# KiCad board dacboard.kicad_pcb (continued)
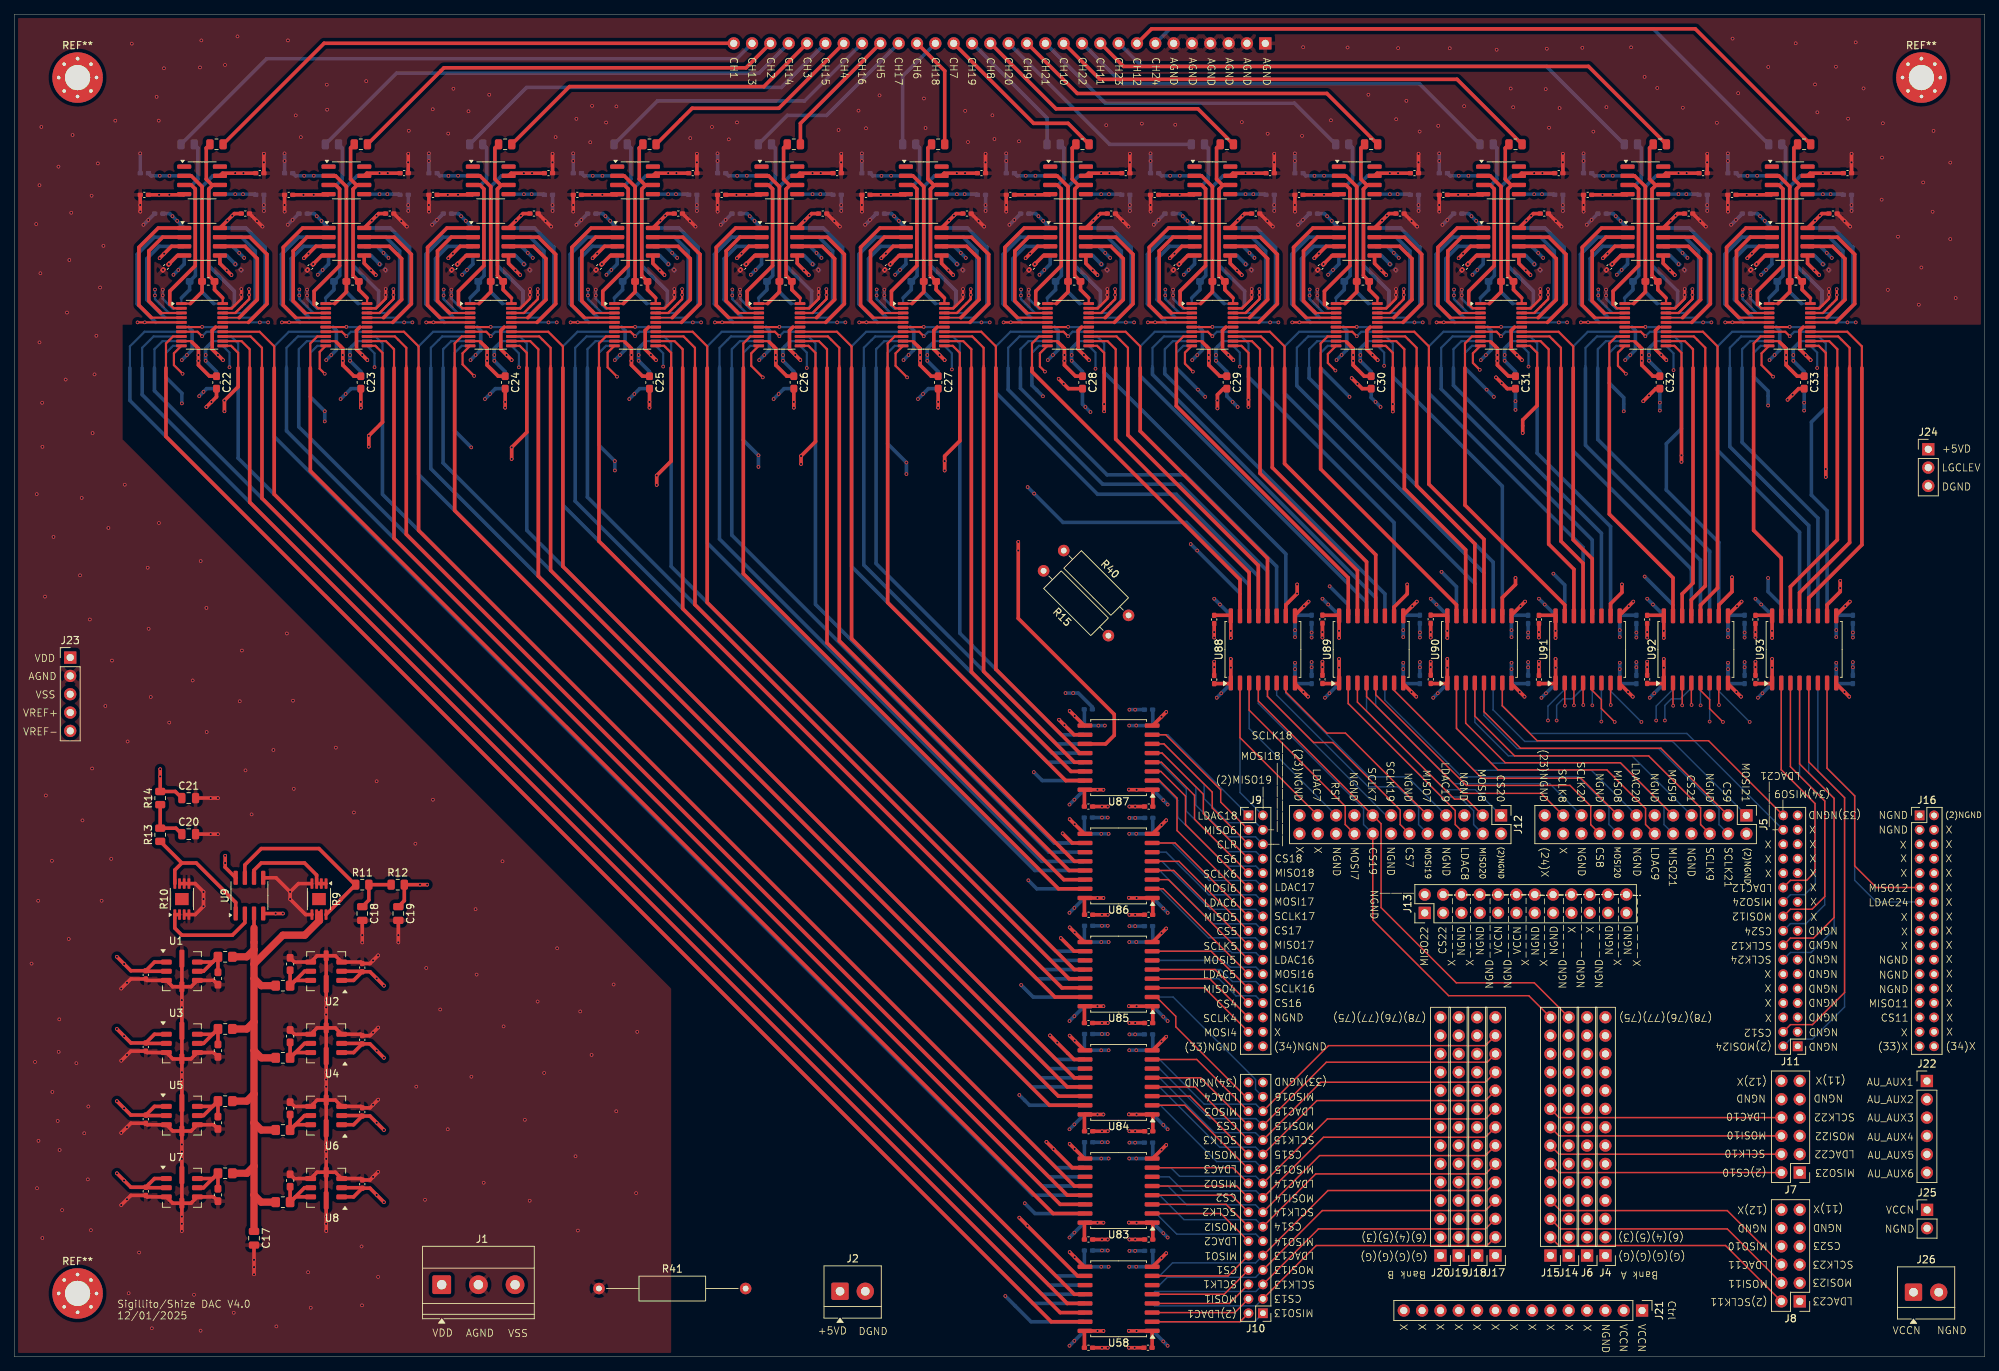
[diagram p0: board, top side]
## Placement (name value [footprint] x y rotation side) (continued)
R13  R_US  [R_0805_2012Metric]  20.2 72.31 90 top
R14  R_US  [R_0805_2012Metric]  20.2 77.4 90 top
R15  R_US  [R_Axial_DIN0309_L9.0mm_D3.2mm_P12.70mm_Horizontal]  151.59 99.91 135 top
R16  R_US  [R_0805_2012Metric]  28 168 0 top
R17  R_US  [R_0805_2012Metric]  48 168 0 top
R18  R_US  [R_0805_2012Metric]  68 168 0 top
R19  R_US  [R_0805_2012Metric]  88 168 0 top
R20  R_US  [R_0805_2012Metric]  108 168 0 top
R21  R_US  [R_0805_2012Metric]  128 168 0 top
R22  R_US  [R_0805_2012Metric]  148 168 0 top
R23  R_US  [R_0805_2012Metric]  168 168 0 top
R24  R_US  [R_0805_2012Metric]  188 168 0 top
R25  R_US  [R_0805_2012Metric]  208 168 0 top
R26  R_US  [R_0805_2012Metric]  228 168 0 top
R27  R_US  [R_0805_2012Metric]  248 168 0 top
R28  R_US  [R_0805_2012Metric]  24 168 180 bottom
R29  R_US  [R_0805_2012Metric]  44 168 180 bottom
R30  R_US  [R_0805_2012Metric]  64 168 180 bottom
R31  R_US  [R_0805_2012Metric]  84 168 180 bottom
R32  R_US  [R_0805_2012Metric]  104 168 180 bottom
R33  R_US  [R_0805_2012Metric]  124 168 180 bottom
R34  R_US  [R_0805_2012Metric]  144 168 180 bottom
R35  R_US  [R_0805_2012Metric]  164 168 180 bottom
R36  R_US  [R_0805_2012Metric]  184 168 180 bottom
R37  R_US  [R_0805_2012Metric]  204 168 180 bottom
R38  R_US  [R_0805_2012Metric]  224 168 180 bottom
R39  R_US  [R_0805_2012Metric]  244 168 180 bottom
R40  R_US  [R_Axial_DIN0309_L9.0mm_D3.2mm_P12.70mm_Horizontal]  145.4 111.7 315 top
R41  R_US  [R_Axial_DIN0309_L9.0mm_D3.2mm_P20.32mm_Horizontal]  81 9.43 0 top
REF**  -  [MountingHole_3.5mm_Pad_Via]  8.75 177.25 0 top
REF**#2  -  [MountingHole_3.5mm_Pad_Via]  264.25 177.25 0 top
REF**#3  -  [MountingHole_3.5mm_Pad_Via]  8.75 8.75 0 top
U1  LTC6655CHMS8-2.5_PBF  [Analog_LCC-8_5x5mm_P1.27mm]  23.2 53.4 0 top
U2  LTC6655CHMS8-2.5_PBF  [Analog_LCC-8_5x5mm_P1.27mm]  43.2 53.4 180 top
U3  LTC6655CHMS8-2.5_PBF  [Analog_LCC-8_5x5mm_P1.27mm]  23.2 43.4 0 top
U4  LTC6655CHMS8-2.5_PBF  [Analog_LCC-8_5x5mm_P1.27mm]  43.2 43.4 180 top
U5  LTC6655CHMS8-2.5_PBF  [Analog_LCC-8_5x5mm_P1.27mm]  23.2 33.4 0 top
U6  LTC6655CHMS8-2.5_PBF  [Analog_LCC-8_5x5mm_P1.27mm]  43.2 33.4 180 top
U7  LTC6655CHMS8-2.5_PBF  [Analog_LCC-8_5x5mm_P1.27mm]  23.2 23.4 0 top
U8  LTC6655CHMS8-2.5_PBF  [Analog_LCC-8_5x5mm_P1.27mm]  43.2 23.4 180 top
U9  AD8676xR  [SOIC-8_3.9x4.9mm_P1.27mm]  32.56 63.88 90 top
U10  AD5791BRUZ  [TSSOP-20_4.4x6.5mm_P0.65mm]  26 143 0 top
U11  AD8676xR  [SOIC-8_3.9x4.9mm_P1.27mm]  26 154.5 0 top
U12  AD8676xR  [SOIC-8_3.9x4.9mm_P1.27mm]  46 154.5 0 top
U13  AD5791BRUZ  [TSSOP-20_4.4x6.5mm_P0.65mm]  46 143 0 top
U14  AD8676xR  [SOIC-8_3.9x4.9mm_P1.27mm]  66 154.5 0 top
U15  AD5791BRUZ  [TSSOP-20_4.4x6.5mm_P0.65mm]  66 143 0 top
U16  AD8676xR  [SOIC-8_3.9x4.9mm_P1.27mm]  86 154.5 0 top
U17  AD5791BRUZ  [TSSOP-20_4.4x6.5mm_P0.65mm]  86 143 0 top
U18  AD8676xR  [SOIC-8_3.9x4.9mm_P1.27mm]  106 154.5 0 top
U19  AD5791BRUZ  [TSSOP-20_4.4x6.5mm_P0.65mm]  106 143 0 top
U20  AD8676xR  [SOIC-8_3.9x4.9mm_P1.27mm]  126 154.5 0 top
U21  AD5791BRUZ  [TSSOP-20_4.4x6.5mm_P0.65mm]  126 143 0 top
U22  AD8676xR  [SOIC-8_3.9x4.9mm_P1.27mm]  146 154.5 0 top
U23  AD8676xR  [SOIC-8_3.9x4.9mm_P1.27mm]  166 154.5 0 top
U24  AD8676xR  [SOIC-8_3.9x4.9mm_P1.27mm]  186 154.5 0 top
U25  AD8676xR  [SOIC-8_3.9x4.9mm_P1.27mm]  206 154.5 0 top
U26  AD5791BRUZ  [TSSOP-20_4.4x6.5mm_P0.65mm]  146 143 0 top
U27  AD5791BRUZ  [TSSOP-20_4.4x6.5mm_P0.65mm]  166 143 0 top
U28  AD5791BRUZ  [TSSOP-20_4.4x6.5mm_P0.65mm]  186 143 0 top
U29  AD5791BRUZ  [TSSOP-20_4.4x6.5mm_P0.65mm]  206 143 0 top
U30  AD8676xR  [SOIC-8_3.9x4.9mm_P1.27mm]  226 154.5 0 top
U31  AD8676xR  [SOIC-8_3.9x4.9mm_P1.27mm]  246 154.5 0 top
U32  AD5791BRUZ  [TSSOP-20_4.4x6.5mm_P0.65mm]  226 143 0 top
U33  AD5791BRUZ  [TSSOP-20_4.4x6.5mm_P0.65mm]  246 143 0 top
U34  AD8676xR  [SOIC-8_3.9x4.9mm_P1.27mm]  26 154.5 180 bottom
U35  AD8676xR  [SOIC-8_3.9x4.9mm_P1.27mm]  46 154.5 180 bottom
U36  AD8676xR  [SOIC-8_3.9x4.9mm_P1.27mm]  66 154.5 180 bottom
U37  AD8676xR  [SOIC-8_3.9x4.9mm_P1.27mm]  86 154.5 180 bottom
U38  AD5791BRUZ  [TSSOP-20_4.4x6.5mm_P0.65mm]  26 143 180 bottom
U39  AD5791BRUZ  [TSSOP-20_4.4x6.5mm_P0.65mm]  46 143 180 bottom
U40  AD5791BRUZ  [TSSOP-20_4.4x6.5mm_P0.65mm]  66 143 180 bottom
U41  AD5791BRUZ  [TSSOP-20_4.4x6.5mm_P0.65mm]  86 143 180 bottom
U42  AD8676xR  [SOIC-8_3.9x4.9mm_P1.27mm]  106 154.5 180 bottom
U43  AD8676xR  [SOIC-8_3.9x4.9mm_P1.27mm]  126 154.5 180 bottom
U44  AD5791BRUZ  [TSSOP-20_4.4x6.5mm_P0.65mm]  106 143 180 bottom
U45  AD5791BRUZ  [TSSOP-20_4.4x6.5mm_P0.65mm]  126 143 180 bottom
U46  AD8676xR  [SOIC-8_3.9x4.9mm_P1.27mm]  146 154.5 180 bottom
U47  AD8676xR  [SOIC-8_3.9x4.9mm_P1.27mm]  166 154.5 180 bottom
U48  AD8676xR  [SOIC-8_3.9x4.9mm_P1.27mm]  186 154.5 180 bottom
U49  AD8676xR  [SOIC-8_3.9x4.9mm_P1.27mm]  206 154.5 180 bottom
U50  AD5791BRUZ  [TSSOP-20_4.4x6.5mm_P0.65mm]  146 143 180 bottom
U51  AD5791BRUZ  [TSSOP-20_4.4x6.5mm_P0.65mm]  166 143 180 bottom
U52  AD5791BRUZ  [TSSOP-20_4.4x6.5mm_P0.65mm]  186 143 180 bottom
U53  AD5791BRUZ  [TSSOP-20_4.4x6.5mm_P0.65mm]  206 143 180 bottom
U54  AD8676xR  [SOIC-8_3.9x4.9mm_P1.27mm]  226 154.5 180 bottom
U55  AD8676xR  [SOIC-8_3.9x4.9mm_P1.27mm]  246 154.5 180 bottom
U56  AD5791BRUZ  [TSSOP-20_4.4x6.5mm_P0.65mm]  226 143 180 bottom
U57  AD5791BRUZ  [TSSOP-20_4.4x6.5mm_P0.65mm]  246 143 180 bottom
U58  ISO6761FQDWRQ1  [SOIC-16W_7.5x10.3mm_P1.27mm]  153 8 180 top
U59  AD8675ARZ  [SOIC-8_3.9x4.9mm_P1.27mm]  26 163 0 top
U60  AD8675ARZ  [SOIC-8_3.9x4.9mm_P1.27mm]  46 163 0 top
U61  AD8675ARZ  [SOIC-8_3.9x4.9mm_P1.27mm]  66 163 0 top
U62  AD8675ARZ  [SOIC-8_3.9x4.9mm_P1.27mm]  86 163 0 top
U63  AD8675ARZ  [SOIC-8_3.9x4.9mm_P1.27mm]  106 163 0 top
U64  AD8675ARZ  [SOIC-8_3.9x4.9mm_P1.27mm]  126 163 0 top
U65  AD8675ARZ  [SOIC-8_3.9x4.9mm_P1.27mm]  146 163 0 top
U66  AD8675ARZ  [SOIC-8_3.9x4.9mm_P1.27mm]  166 163 0 top
U67  AD8675ARZ  [SOIC-8_3.9x4.9mm_P1.27mm]  186 163 0 top
U68  AD8675ARZ  [SOIC-8_3.9x4.9mm_P1.27mm]  206 163 0 top
U69  AD8675ARZ  [SOIC-8_3.9x4.9mm_P1.27mm]  226 163 0 top
U70  AD8675ARZ  [SOIC-8_3.9x4.9mm_P1.27mm]  246 163 0 top
U71  AD8675ARZ  [SOIC-8_3.9x4.9mm_P1.27mm]  26 163 180 bottom
U72  AD8675ARZ  [SOIC-8_3.9x4.9mm_P1.27mm]  46 163 180 bottom
U73  AD8675ARZ  [SOIC-8_3.9x4.9mm_P1.27mm]  66 163 180 bottom
U74  AD8675ARZ  [SOIC-8_3.9x4.9mm_P1.27mm]  86 163 180 bottom
U75  AD8675ARZ  [SOIC-8_3.9x4.9mm_P1.27mm]  106 163 180 bottom
U76  AD8675ARZ  [SOIC-8_3.9x4.9mm_P1.27mm]  126 163 180 bottom
U77  AD8675ARZ  [SOIC-8_3.9x4.9mm_P1.27mm]  146 163 180 bottom
U78  AD8675ARZ  [SOIC-8_3.9x4.9mm_P1.27mm]  166 163 180 bottom
U79  AD8675ARZ  [SOIC-8_3.9x4.9mm_P1.27mm]  186 163 180 bottom
U80  AD8675ARZ  [SOIC-8_3.9x4.9mm_P1.27mm]  206 163 180 bottom
U81  AD8675ARZ  [SOIC-8_3.9x4.9mm_P1.27mm]  226 163 180 bottom
U82  AD8675ARZ  [SOIC-8_3.9x4.9mm_P1.27mm]  246 163 180 bottom
U83  ISO6761FQDWRQ1  [SOIC-16W_7.5x10.3mm_P1.27mm]  153 23 180 top
U84  ISO6761FQDWRQ1  [SOIC-16W_7.5x10.3mm_P1.27mm]  153 38 180 top
U85  ISO6761FQDWRQ1  [SOIC-16W_7.5x10.3mm_P1.27mm]  153 53 180 top
U86  ISO6761FQDWRQ1  [SOIC-16W_7.5x10.3mm_P1.27mm]  153 68 180 top
U87  ISO6761FQDWRQ1  [SOIC-16W_7.5x10.3mm_P1.27mm]  153 83 180 top
U88  ISO6761FQDWRQ1  [SOIC-16W_7.5x10.3mm_P1.27mm]  173 98 90 top
U89  ISO6761FQDWRQ1  [SOIC-16W_7.5x10.3mm_P1.27mm]  188 98 90 top
U90  ISO6761FQDWRQ1  [SOIC-16W_7.5x10.3mm_P1.27mm]  203 98 90 top
U91  ISO6761FQDWRQ1  [SOIC-16W_7.5x10.3mm_P1.27mm]  218 98 90 top
U92  ISO6761FQDWRQ1  [SOIC-16W_7.5x10.3mm_P1.27mm]  233 98 90 top
U93  ISO6761FQDWRQ1  [SOIC-16W_7.5x10.3mm_P1.27mm]  248 98 90 top
U94  ISO6761FQDWRQ1  [SOIC-16W_7.5x10.3mm_P1.27mm]  153 8 180 bottom
U95  ISO6761FQDWRQ1  [SOIC-16W_7.5x10.3mm_P1.27mm]  153 23 180 bottom
U96  ISO6761FQDWRQ1  [SOIC-16W_7.5x10.3mm_P1.27mm]  153 38 180 bottom
U97  ISO6761FQDWRQ1  [SOIC-16W_7.5x10.3mm_P1.27mm]  153 53 180 bottom
U98  ISO6761FQDWRQ1  [SOIC-16W_7.5x10.3mm_P1.27mm]  153 68 180 bottom
U99  ISO6761FQDWRQ1  [SOIC-16W_7.5x10.3mm_P1.27mm]  153 83 180 bottom
U100  ISO6761FQDWRQ1  [SOIC-16W_7.5x10.3mm_P1.27mm]  173 98 90 bottom
U101  ISO6761FQDWRQ1  [SOIC-16W_7.5x10.3mm_P1.27mm]  188 98 90 bottom
U102  ISO6761FQDWRQ1  [SOIC-16W_7.5x10.3mm_P1.27mm]  203 98 90 bottom
U103  ISO6761FQDWRQ1  [SOIC-16W_7.5x10.3mm_P1.27mm]  218 98 90 bottom
U104  ISO6761FQDWRQ1  [SOIC-16W_7.5x10.3mm_P1.27mm]  233 98 90 bottom
U105  ISO6761FQDWRQ1  [SOIC-16W_7.5x10.3mm_P1.27mm]  248 98 90 bottom

## Library data of the parts
C1-C213 = -: Description: Unpolarized capacitor; ki_fp_filters: C_*
J1 = -: Description: Generic screw terminal, single row, 01x03, script generated (kicad-library-utils/schlib/autogen/connector/); ki_fp_filters: TerminalBlock*:*
J2 J26 = -: Description: Generic screw terminal, single row, 01x02, script generated (kicad-library-utils/schlib/autogen/connector/); ki_fp_filters: TerminalBlock*:*
J3 = -: Description: Generic connector, single row, 01x30, script generated; ki_fp_filters: Connector*:*_1x??_*
J4 J6 J14 J15 J17-J21 = -: Description: Generic connector, single row, 01x14, script generated (kicad-library-utils/schlib/autogen/connector/); ki_fp_filters: Connector*:*_1x??_*
J5 J12 J13 = -: Description: Generic connector, double row, 02x12, odd/even pin numbering scheme (row 1 odd numbers, row 2 even numbers), script generated (kicad-library-utils/schlib/autogen/connector/); ki_fp_filters: Connector*:*_2x??_*
J7 J8 = -: Description: Generic connector, double row, 02x06, odd/even pin numbering scheme (row 1 odd numbers, row 2 even numbers), script generated (kicad-library-utils/schlib/autogen/connector/); ki_fp_filters: Connector*:*_2x??_*
J9-J11 J16 = -: Description: Generic connector, double row, 02x17, odd/even pin numbering scheme (row 1 odd numbers, row 2 even numbers), script generated (kicad-library-utils/schlib/autogen/connector/); ki_fp_filters: Connector*:*_2x??_*
J22 = -: Description: Generic connector, single row, 01x06, script generated (kicad-library-utils/schlib/autogen/connector/); ki_fp_filters: Connector*:*_1x??_*
J23 = -: Description: Generic connector, single row, 01x05, script generated (kicad-library-utils/schlib/autogen/connector/); ki_fp_filters: Connector*:*_1x??_*
J24 = -: Description: Generic connector, single row, 01x03, script generated (kicad-library-utils/schlib/autogen/connector/); ki_fp_filters: Connector*:*_1x??_*
J25 = -: Description: Generic connector, single row, 01x02, script generated (kicad-library-utils/schlib/autogen/connector/); ki_fp_filters: Connector*:*_1x??_*
R1-R8 R11-R41 = -: Description: Resistor, US symbol; ki_fp_filters: R_*
R9 R10 = -: PARTREV: I; MANUFACTURER: Linear Technology; MAXIMUM_PACKAGE_HEIGHT: 1.1 mm; STANDARD: IPC 7351B
U1-U8 = -: PARTREV: J; MANUFACTURER: Analog Devices; MAXIMUM_PACKAGE_HEIGHT: 1.1mm; STANDARD: IPC 7351B
U9 U11 U12 U14 U16 U18 U20 U22-U25 U30 U31 U34-U37 U42 U43 U46-U49 U54 U55 = -: Datasheet: https://www.analog.com/media/en/technical-documentation/data-sheets/AD8676.pdf; Description: Dual operational amplifier, Ultra-precision, 36V, Rail-to-rail output, SOIC-8; ki_fp_filters: SOIC*3.9x4.9mm*P1.27mm*
U10 U13 U15 U17 U19 U21 U26-U29 U32 U33 U38-U41 U44 U45 U50-U53 U56 U57 = -: Datasheet: https://www.analog.com/media/en/technical-documentation/data-sheets/AD5791-EP.pdf; ki_fp_filters: RU_20_ADI RU_20_ADI-M RU_20_ADI-L
U58 U83-U105 = -: Datasheet: https://www.ti.com/lit/gpn/iso6761-q1; ki_fp_filters: SOIC16_DW_TEX SOIC16_DW_TEX-M SOIC16_DW_TEX-L
U59-U82 = -: Datasheet: https://www.analog.com/media/en/technical-documentation/data-sheets/AD8675.pdf; ki_fp_filters: R_8_ADI R_8_ADI-M R_8_ADI-L

## Footprints (pads in the part's own frame, mm; a bottom-side part is the same pattern mirrored in y, then rotated)
Analog_LCC-8_5x5mm_P1.27mm
  rrect 1.5x0.7 smd: 1(-2.15,1.27) 2(-2.15,0) 3(-2.15,-1.27) 5(2.15,-1.27) 6(2.15,0) 7(2.15,1.27)
  rrect 0.7x1.5 smd: 4(0,-2.15)
  rrect 0.7x2.5 smd: 8(0,1.75)
C_0402_1005Metric_Pad0.74x0.62mm_HandSolder
  rrect 0.735x0.62 smd: 1(-0.568,0) 2(0.568,0)
C_0603_1608Metric_Pad1.08x0.95mm_HandSolder
  rrect 1.075x0.95 smd: 1(-0.863,0) 2(0.863,0)
C_0805_2012Metric
  rrect 1x1.45 smd: 1(-0.95,0) 2(0.95,0)
MountingHole_3.5mm_Pad_Via
  round 0.8 hole 0.5: 1(-2.625,0) 1(-1.856,1.856) 1(-1.856,-1.856) 1(0,2.625) 1(0,-2.625) 1(1.856,1.856) 1(1.856,-1.856) 1(2.625,0)
  round 7 hole 3.5: 1(0,0)
MSOP-8-1EP_3x3mm_P0.65mm_EP1.68x1.88mm
  rrect 0.68x0.76 smd: (-0.42,0.47) (-0.42,-0.47) (0.42,0.47) (0.42,-0.47)
  rrect 1.45x0.4 smd: 1(-2.15,0.975) 2(-2.15,0.325) 3(-2.15,-0.325) 4(-2.15,-0.975) 5(2.15,-0.975) 6(2.15,-0.325) 7(2.15,0.325) 8(2.15,0.975)
  rect 1.68x1.88 smd: 9(0,0)
PinHeader_1x02_P2.54mm_Vertical
  rect 1.7x1.7 hole 1: 1(0,0)
  round 1.7 hole 1: 2(0,-2.54)
PinHeader_1x03_P2.54mm_Vertical
  rect 1.7x1.7 hole 1: 1(0,0)
  round 1.7 hole 1: 2(0,-2.54) 3(0,-5.08)
PinHeader_1x05_P2.54mm_Vertical
  rect 1.7x1.7 hole 1: 1(0,0)
  round 1.7 hole 1: 2(0,-2.54) 3(0,-5.08) 4(0,-7.62) 5(0,-10.16)
PinHeader_1x06_P2.54mm_Vertical
  rect 1.7x1.7 hole 1: 1(0,0)
  round 1.7 hole 1: 2(0,-2.54) 3(0,-5.08) 4(0,-7.62) 5(0,-10.16) 6(0,-12.7)
PinHeader_1x14_P2.54mm_Vertical
  rect 1.7x1.7 hole 1: 1(0,0)
  round 1.7 hole 1: 2(0,-2.54) 3(0,-5.08) 4(0,-7.62) 5(0,-10.16) 6(0,-12.7) 7(0,-15.24) 8(0,-17.78) 9(0,-20.32) 10(0,-22.86) 11(0,-25.4) 12(0,-27.94) 13(0,-30.48) 14(0,-33.02)
PinHeader_1x30_P2.54mm_Horizontal
  rect 1.7x1.7 hole 1: 1(0,0)
  round 1.7 hole 1: 2(0,-2.54) 3(0,-5.08) 4(0,-7.62) 5(0,-10.16) 6(0,-12.7) 7(0,-15.24) 8(0,-17.78) 9(0,-20.32) 10(0,-22.86) 11(0,-25.4) 12(0,-27.94) 13(0,-30.48) 14(0,-33.02) 15(0,-35.56) 16(0,-38.1) 17(0,-40.64) 18(0,-43.18) 19(0,-45.72) 20(0,-48.26) 21(0,-50.8) 22(0,-53.34) 23(0,-55.88) 24(0,-58.42) 25(0,-60.96) 26(0,-63.5) 27(0,-66.04) 28(0,-68.58) 29(0,-71.12) 30(0,-73.66)
PinHeader_2x06_P2.54mm_Vertical
  rect 1.7x1.7 hole 1: 1(0,0)
  round 1.7 hole 1: 2(2.54,0) 3(0,-2.54) 4(2.54,-2.54) 5(0,-5.08) 6(2.54,-5.08) 7(0,-7.62) 8(2.54,-7.62) 9(0,-10.16) 10(2.54,-10.16) 11(0,-12.7) 12(2.54,-12.7)
PinHeader_2x12_P2.54mm_Vertical
  rect 1.7x1.7 hole 1: 1(0,0)
  round 1.7 hole 1: 2(2.54,0) 3(0,-2.54) 4(2.54,-2.54) 5(0,-5.08) 6(2.54,-5.08) 7(0,-7.62) 8(2.54,-7.62) 9(0,-10.16) 10(2.54,-10.16) 11(0,-12.7) 12(2.54,-12.7) 13(0,-15.24) 14(2.54,-15.24) 15(0,-17.78) 16(2.54,-17.78) 17(0,-20.32) 18(2.54,-20.32) 19(0,-22.86) 20(2.54,-22.86) 21(0,-25.4) 22(2.54,-25.4) 23(0,-27.94) 24(2.54,-27.94)
PinHeader_2x17_P2.00mm_Vertical
  rect 1.35x1.35 hole 0.8: 1(0,0)
  round 1.35 hole 0.8: 2(2,0) 3(0,-2) 4(2,-2) 5(0,-4) 6(2,-4) 7(0,-6) 8(2,-6) 9(0,-8) 10(2,-8) 11(0,-10) 12(2,-10) 13(0,-12) 14(2,-12) 15(0,-14) 16(2,-14) 17(0,-16) 18(2,-16) 19(0,-18) 20(2,-18) 21(0,-20) 22(2,-20) 23(0,-22) 24(2,-22) 25(0,-24) 26(2,-24) 27(0,-26) 28(2,-26) 29(0,-28) 30(2,-28) 31(0,-30) 32(2,-30) 33(0,-32) 34(2,-32)
R_0805_2012Metric
  rrect 1.025x1.4 smd: 1(-0.912,0) 2(0.912,0)
R_0805_2012Metric_Pad1.20x1.40mm_HandSolder
  rrect 1.2x1.4 smd: 1(-1,0) 2(1,0)
R_Axial_DIN0309_L9.0mm_D3.2mm_P12.70mm_Horizontal
  round 1.6 hole 0.8: 1(0,0) 2(12.7,0)
R_Axial_DIN0309_L9.0mm_D3.2mm_P20.32mm_Horizontal
  round 1.6 hole 0.8: 1(0,0) 2(20.32,0)
SOIC-8_3.9x4.9mm_P1.27mm
  rrect 1.95x0.6 smd: 1(-2.475,1.905) 2(-2.475,0.635) 3(-2.475,-0.635) 4(-2.475,-1.905) 5(2.475,-1.905) 6(2.475,-0.635) 7(2.475,0.635) 8(2.475,1.905)
SOIC-16W_7.5x10.3mm_P1.27mm
  rrect 2.05x0.6 smd: 1(-4.65,4.445) 2(-4.65,3.175) 3(-4.65,1.905) 4(-4.65,0.635) 5(-4.65,-0.635) 6(-4.65,-1.905) 7(-4.65,-3.175) 8(-4.65,-4.445) 9(4.65,-4.445) 10(4.65,-3.175) 11(4.65,-1.905) 12(4.65,-0.635) 13(4.65,0.635) 14(4.65,1.905) 15(4.65,3.175) 16(4.65,4.445)
TerminalBlock_4Ucon_1x02_P3.50mm_Horizontal
  rrect 2.4x2.4 hole 1.2: 1(0,0)
  round 2.4 hole 1.2: 2(3.5,0)
TerminalBlock_Phoenix_MKDS-1,5-3-5.08_1x03_P5.08mm_Horizontal
  rrect 2.6x2.6 hole 1.3: 1(0,0)
  round 2.6 hole 1.3: 2(5.08,0) 3(10.16,0)
TSSOP-20_4.4x6.5mm_P0.65mm
  rrect 1.475x0.4 smd: 1(-2.862,2.925) 2(-2.862,2.275) 3(-2.862,1.625) 4(-2.862,0.975) 5(-2.862,0.325) 6(-2.862,-0.325) 7(-2.862,-0.975) 8(-2.862,-1.625) 9(-2.862,-2.275) 10(-2.862,-2.925) 11(2.862,-2.925) 12(2.862,-2.275) 13(2.862,-1.625) 14(2.862,-0.975) 15(2.862,-0.325) 16(2.862,0.325) 17(2.862,0.975) 18(2.862,1.625) 19(2.862,2.275) 20(2.862,2.925)

## Nets
+5VD: C22.1 C23.1 C24.1 C25.1 C26.1 C27.1 C28.1 C29.1 C30.1 C31.1 C32.1 C33.1 C34.1 C35.1 C36.1 C37.1 C38.1 C39.1 C40.1 C41.1 C42.1 C43.1 C44.1 C45.1 C73.2 C75.2 C77.2 C81.2 C82.2 C83.2 C87.2 C88.2 C89.2 C93.2 C94.2 C95.2 C99.2 C100.2 C101.2 C105.2 C106.2 C107.2 C111.2 C112.2 C113.2 C117.2 C118.2 C119.2 J2.1 J24.1 R15.1 U10.9 U13.9 U15.9 U17.9 U19.9 U21.9 U26.9 U27.9 U28.9 U29.9 U32.9 U33.9 U38.9 U39.9 U40.9 U41.9 U44.9 U45.9 U50.9 U51.9 U52.9 U53.9 U56.9 U57.9 U58.16 U83.16 U84.16 U85.16 U86.16 U87.16 U88.16 U89.16 U90.16 U91.16 U92.16 U93.16 U94.16 U95.16 U96.16 U97.16 U98.16 U99.16 U100.16 U101.16 U102.16 U103.16 U104.16 U105.16
AGND: C1.2 C2.2 C3.2 C4.2 C5.2 C6.2 C7.2 C8.2 C9.2 C10.2 C11.2 C12.2 C13.2 C14.2 C15.2 C16.2 C17.2 C18.2 C19.2 C20.2 C21.2 C46.2 C71.2 C120.2 C121.2 C122.2 C123.2 C124.2 C125.2 C126.2 C127.2 C128.2 C129.2 C130.2 C131.2 C132.2 C133.2 C134.2 C135.2 C136.2 C137.2 C138.2 C139.2 C140.2 C141.2 C142.2 C143.2 C144.2 C145.2 C146.2 C147.2 C148.2 C149.2 C150.2 C151.2 C152.2 C153.2 C154.2 C155.2 C156.2 C157.2 C158.2 C159.2 C160.2 C161.2 C162.2 C163.2 C164.2 C165.2 C166.2 C167.2 C168.2 C169.2 C170.2 C171.2 C172.2 C173.2 C174.2 C175.2 C176.2 C177.2 C178.2 C179.2 C180.2 C181.2 C182.2 C183.2 C184.2 C185.2 C186.2 C187.2 C188.2 C189.2 C190.2 C191.2 C192.2 C193.2 C194.2 C195.2 C196.2 C197.2 C198.2 C199.2 C200.2 C201.2 C202.2 C203.2 C204.2 C205.2 C206.2 C207.2 C208.2 C209.2 C210.2 C211.2 C212.2 C213.2 J1.2 J3.1 J3.2 J3.3 J3.4 J3.5 J3.6 J23.2 R9.4 R9.5 R10.3 R10.4 R10.5 R10.6 R10.7 R41.1 U1.3 U1.4 U1.5 U1.8 U2.3 U2.4 U2.5 U2.8 U3.3 U3.4 U3.5 U3.8 U4.3 U4.4 U4.5 U4.8 U5.3 U5.4 U5.5 U5.8 U6.3 U6.4 U6.5 U6.8 U7.3 U7.4 U7.5 U7.8 U8.3 U8.4 U8.5 U8.8 U9.5 U10.19 U13.19 U15.19 U17.19 U19.19 U21.19 U26.19 U27.19 U28.19 U29.19 U32.19 U33.19 U38.19 U39.19 U40.19 U41.19 U44.19 U45.19 U50.19 U51.19 U52.19 U53.19 U56.19 U57.19
DGND: C22.2 C23.2 C24.2 C25.2 C26.2 C27.2 C28.2 C29.2 C30.2 C31.2 C32.2 C33.2 C34.2 C35.2 C36.2 C37.2 C38.2 C39.2 C40.2 C41.2 C42.2 C43.2 C44.2 C45.2 C73.1 C75.1 C77.1 C81.1 C82.1 C83.1 C87.1 C88.1 C89.1 C93.1 C94.1 C95.1 C99.1 C100.1 C101.1 C105.1 C106.1 C107.1 C111.1 C112.1 C113.1 C117.1 C118.1 C119.1 J2.2 J24.3 R40.2 R41.2 U10.15 U13.15 U15.15 U17.15 U19.15 U21.15 U26.15 U27.15 U28.15 U29.15 U32.15 U33.15 U38.15 U39.15 U40.15 U41.15 U44.15 U45.15 U50.15 U51.15 U52.15 U53.15 U56.15 U57.15 U58.9 U83.9 U84.9 U85.9 U86.9 U87.9 U88.9 U89.9 U90.9 U91.9 U92.9 U93.9 U94.9 U95.9 U96.9 U97.9 U98.9 U99.9 U100.9 U101.9 U102.9 U103.9 U104.9 U105.9
VCCN: C72.2 C74.2 C76.2 C78.2 C79.2 C80.2 C84.2 C85.2 C86.2 C90.2 C91.2 C92.2 C96.2 C97.2 C98.2 C102.2 C103.2 C104.2 C108.2 C109.2 C110.2 C114.2 C115.2 C116.2 J13.9 J13.11 J21.1 J21.2 J25.1 J26.1 U58.1 U83.1 U84.1 U85.1 U86.1 U87.1 U88.1 U89.1 U90.1 U91.1 U92.1 U93.1 U94.1 U95.1 U96.1 U97.1 U98.1 U99.1 U100.1 U101.1 U102.1 U103.1 U104.1 U105.1
VDD: C1.1 C3.1 C5.1 C7.1 C9.1 C11.1 C13.1 C15.1 C46.1 C71.1 C120.1 C121.1 C122.1 C123.1 C130.1 C132.1 C134.1 C136.1 C138.1 C140.1 C142.1 C144.1 C146.1 C148.1 C150.1 C152.1 C154.1 C156.1 C158.1 C160.1 C162.1 C164.1 C166.1 C168.1 C170.1 C172.1 C174.1 C176.1 C178.1 C180.1 C182.1 C184.1 C186.1 C188.1 C190.1 C192.1 C194.1 C196.1 C198.1 C200.1 C202.1 C204.1 C206.1 C208.1 C210.1 C212.1 J1.1 J23.1 U1.1 U1.2 U2.1 U2.2 U3.1 U3.2 U4.1 U4.2 U5.1 U5.2 U6.1 U6.2 U7.1 U7.2 U8.1 U8.2 U9.8 U10.5 U11.8 U12.8 U13.5 U14.8 U15.5 U16.8 U17.5 U18.8 U19.5 U20.8 U21.5 U22.8 U23.8 U24.8 U25.8 U26.5 U27.5 U28.5 U29.5 U30.8 U31.8 U32.5 U33.5 U34.8 U35.8 U36.8 U37.8 U38.5 U39.5 U40.5 U41.5 U42.8 U43.8 U44.5 U45.5 U46.8 U47.8 U48.8 U49.8 U50.5 U51.5 U52.5 U53.5 U54.8 U55.8 U56.5 U57.5 U59.7 U60.7 U61.7 U62.7 U63.7 U64.7 U65.7 U66.7 U67.7 U68.7 U69.7 U70.7 U71.7 U72.7 U73.7 U74.7 U75.7 U76.7 U77.7 U78.7 U79.7 U80.7 U81.7 U82.7
VSS: C124.1 C125.1 C126.1 C127.1 C128.1 C129.1 C131.1 C133.1 C135.1 C137.1 C139.1 C141.1 C143.1 C145.1 C147.1 C149.1 C151.1 C153.1 C155.1 C157.1 C159.1 C161.1 C163.1 C165.1 C167.1 C169.1 C171.1 C173.1 C175.1 C177.1 C179.1 C181.1 C183.1 C185.1 C187.1 C189.1 C191.1 C193.1 C195.1 C197.1 C199.1 C201.1 C203.1 C205.1 C207.1 C209.1 C211.1 C213.1 J1.3 J23.3 U9.4 U10.18 U11.4 U12.4 U13.18 U14.4 U15.18 U16.4 U17.18 U18.4 U19.18 U20.4 U21.18 U22.4 U23.4 U24.4 U25.4 U26.18 U27.18 U28.18 U29.18 U30.4 U31.4 U32.18 U33.18 U34.4 U35.4 U36.4 U37.4 U38.18 U39.18 U40.18 U41.18 U42.4 U43.4 U44.18 U45.18 U46.4 U47.4 U48.4 U49.4 U50.18 U51.18 U52.18 U53.18 U54.4 U55.4 U56.18 U57.18 U59.4 U60.4 U61.4 U62.4 U63.4 U64.4 U65.4 U66.4 U67.4 U68.4 U69.4 U70.4 U71.4 U72.4 U73.4 U74.4 U75.4 U76.4 U77.4 U78.4 U79.4 U80.4 U81.4 U82.4
AU_AUX1: J14.6 J22.1
AU_AUX2: J15.5 J22.2
AU_AUX3: J4.5 J22.3
AU_AUX4: J4.4 J22.4
AU_AUX5: J4.3 J22.5
AU_AUX6: J4.2 J22.6
BUF1_VOUT: J3.30 R16.2
BUF2_VOUT: J3.28 R17.2
BUF3_VOUT: J3.26 R18.2
BUF4_VOUT: J3.24 R19.2
BUF5_VOUT: J3.22 R20.2
BUF6_VOUT: J3.20 R21.2
BUF7_VOUT: J3.18 R22.2
BUF8_VOUT: J3.16 R23.2
BUF9_VOUT: J3.14 R24.2
BUF10_VOUT: J3.12 R25.2
BUF11_VOUT: J3.10 R26.2
BUF12_VOUT: J3.8 R27.2
BUF13_VOUT: J3.29 R28.2
BUF14_VOUT: J3.27 R29.2
BUF15_VOUT: J3.25 R30.2
BUF16_VOUT: J3.23 R31.2
BUF17_VOUT: J3.21 R32.2
BUF18_VOUT: J3.19 R33.2
BUF19_VOUT: J3.17 R34.2
BUF20_VOUT: J3.15 R35.2
BUF21_VOUT: J3.13 R36.2
BUF22_VOUT: J3.11 R37.2
BUF23_VOUT: J3.9 R38.2
BUF24_VOUT: J3.7 R39.2
CLR_N: U10.7 U13.7 U15.7 U17.7 U19.7 U21.7 U26.7 U27.7 U28.7 U29.7 U32.7 U33.7 U38.7 U39.7 U40.7 U41.7 U44.7 U45.7 U50.7 U51.7 U52.7 U53.7 U56.7 U57.7 U87.11
CLR_N_ALLCH: J9.5 J20.13 U87.6
CS_N_CH1: J10.8 J18.5 U58.5
CS_N_CH2: J10.18 J18.9 U83.5
CS_N_CH3: J10.28 J18.13 U84.5
CS_N_CH4: J9.27 J20.4 U85.5
CS_N_CH5: J9.17 J20.8 U86.5
CS_N_CH6: J9.7 J20.12 U87.5
CS_N_CH7: J4.14 J12.12 U88.5
CS_N_CH8: J5.18 J15.11 U89.5
CS_N_CH9: J4.9 J5.3 U90.5
CS_N_CH10: J7.2 J15.6 U91.5
CS_N_CH11: J4.6 J16.29 U92.5
CS_N_CH12: J6.3 J11.4 U93.5
CS_N_CH13: J10.3 J17.2 U94.5
CS_N_CH14: J10.13 J17.6 U95.5
CS_N_CH15: J10.23 J17.10 U96.5
CS_N_CH16: J9.28 J19.2 U97.5
CS_N_CH17: J9.18 J19.6 U98.5
CS_N_CH18: J9.8 J19.10 U99.5
CS_N_CH19: J12.16 J15.14 U100.5
CS_N_CH20: J12.1 J14.12 U101.5
CS_N_CH21: J5.7 J14.10 U102.5
CS_N_CH22: J13.3 J14.13 U103.5
CS_N_CH23: J8.7 J14.5 U104.5
CS_N_CH24: J6.6 J11.18 U105.5
DAC1_INV: C47.1 U10.1 U59.2
DAC1_LDAC_N: U10.8 U58.15
DAC1_RFB: C47.2 R16.1 U10.20 U59.6
DAC1_SCLK: U10.13 U58.13
DAC1_SDIN: U10.12 U58.14
DAC1_SDO: U10.11 U58.10
DAC1_SYNC_N: U10.14 U58.12
DAC1_VOUT: U10.2 U59.3
DAC2_INV: C48.1 U13.1 U60.2
DAC2_LDAC_N: U13.8 U83.15
DAC2_RFB: C48.2 R17.1 U13.20 U60.6
DAC2_SCLK: U13.13 U83.13
DAC2_SDIN: U13.12 U83.14
DAC2_SDO: U13.11 U83.10
DAC2_SYNC_N: U13.14 U83.12
DAC2_VOUT: U13.2 U60.3
DAC3_INV: C49.1 U15.1 U61.2
DAC3_LDAC_N: U15.8 U84.15
DAC3_RFB: C49.2 R18.1 U15.20 U61.6
DAC3_SCLK: U15.13 U84.13
DAC3_SDIN: U15.12 U84.14
DAC3_SDO: U15.11 U84.10
DAC3_SYNC_N: U15.14 U84.12
DAC3_VOUT: U15.2 U61.3
DAC4_INV: C50.1 U17.1 U62.2
DAC4_LDAC_N: U17.8 U85.15
DAC4_RFB: C50.2 R19.1 U17.20 U62.6
DAC4_SCLK: U17.13 U85.13
DAC4_SDIN: U17.12 U85.14
DAC4_SDO: U17.11 U85.10
DAC4_SYNC_N: U17.14 U85.12
DAC4_VOUT: U17.2 U62.3
DAC5_INV: C51.1 U19.1 U63.2
DAC5_LDAC_N: U19.8 U86.15
DAC5_RFB: C51.2 R20.1 U19.20 U63.6
DAC5_SCLK: U19.13 U86.13
DAC5_SDIN: U19.12 U86.14
DAC5_SDO: U19.11 U86.10
DAC5_SYNC_N: U19.14 U86.12
DAC5_VOUT: U19.2 U63.3
DAC6_INV: C52.1 U21.1 U64.2
DAC6_LDAC_N: U21.8 U87.15
DAC6_RFB: C52.2 R21.1 U21.20 U64.6
DAC6_SCLK: U21.13 U87.13
DAC6_SDIN: U21.12 U87.14
DAC6_SDO: U21.11 U87.10
DAC6_SYNC_N: U21.14 U87.12
DAC6_VOUT: U21.2 U64.3
DAC7_INV: C53.1 U26.1 U65.2
DAC7_LDAC_N: U26.8 U88.15
DAC7_RFB: C53.2 R22.1 U26.20 U65.6
DAC7_SCLK: U26.13 U88.13
DAC7_SDIN: U26.12 U88.14
DAC7_SDO: U26.11 U88.10
DAC7_SYNC_N: U26.14 U88.12
DAC7_VOUT: U26.2 U65.3
DAC8_INV: C54.1 U27.1 U66.2
DAC8_LDAC_N: U27.8 U89.15
DAC8_RFB: C54.2 R23.1 U27.20 U66.6
DAC8_SCLK: U27.13 U89.13
DAC8_SDIN: U27.12 U89.14
DAC8_SDO: U27.11 U89.10
DAC8_SYNC_N: U27.14 U89.12
DAC8_VOUT: U27.2 U66.3
DAC9_INV: C55.1 U28.1 U67.2
DAC9_LDAC_N: U28.8 U90.15
DAC9_RFB: C55.2 R24.1 U28.20 U67.6
DAC9_SCLK: U28.13 U90.13
DAC9_SDIN: U28.12 U90.14
DAC9_SDO: U28.11 U90.10
DAC9_SYNC_N: U28.14 U90.12
DAC9_VOUT: U28.2 U67.3
DAC10_INV: C56.1 U29.1 U68.2
DAC10_LDAC_N: U29.8 U91.15
DAC10_RFB: C56.2 R25.1 U29.20 U68.6
DAC10_SCLK: U29.13 U91.13
DAC10_SDIN: U29.12 U91.14
DAC10_SDO: U29.11 U91.10
DAC10_SYNC_N: U29.14 U91.12
DAC10_VOUT: U29.2 U68.3
DAC11_INV: C57.1 U32.1 U69.2
DAC11_LDAC_N: U32.8 U92.15
DAC11_RFB: C57.2 R26.1 U32.20 U69.6
DAC11_SCLK: U32.13 U92.13
DAC11_SDIN: U32.12 U92.14
DAC11_SDO: U32.11 U92.10
DAC11_SYNC_N: U32.14 U92.12
DAC11_VOUT: U32.2 U69.3
DAC12_INV: C58.1 U33.1 U70.2
DAC12_LDAC_N: U33.8 U93.15
DAC12_RFB: C58.2 R27.1 U33.20 U70.6
DAC12_SCLK: U33.13 U93.13
DAC12_SDIN: U33.12 U93.14
DAC12_SDO: U33.11 U93.10
DAC12_SYNC_N: U33.14 U93.12
DAC12_VOUT: U33.2 U70.3
DAC13_INV: C59.1 U38.1 U71.2
DAC13_LDAC_N: U38.8 U94.15
DAC13_RFB: C59.2 R28.1 U38.20 U71.6
DAC13_SCLK: U38.13 U94.13
DAC13_SDIN: U38.12 U94.14
DAC13_SDO: U38.11 U94.10
DAC13_SYNC_N: U38.14 U94.12
DAC13_VOUT: U38.2 U71.3
DAC14_INV: C60.1 U39.1 U72.2
DAC14_LDAC_N: U39.8 U95.15
DAC14_RFB: C60.2 R29.1 U39.20 U72.6
DAC14_SCLK: U39.13 U95.13
DAC14_SDIN: U39.12 U95.14
DAC14_SDO: U39.11 U95.10
DAC14_SYNC_N: U39.14 U95.12
DAC14_VOUT: U39.2 U72.3
DAC15_INV: C61.1 U40.1 U73.2
DAC15_LDAC_N: U40.8 U96.15
DAC15_RFB: C61.2 R30.1 U40.20 U73.6
DAC15_SCLK: U40.13 U96.13
DAC15_SDIN: U40.12 U96.14
DAC15_SDO: U40.11 U96.10
DAC15_SYNC_N: U40.14 U96.12
DAC15_VOUT: U40.2 U73.3
DAC16_INV: C62.1 U41.1 U74.2
DAC16_LDAC_N: U41.8 U97.15
DAC16_RFB: C62.2 R31.1 U41.20 U74.6
DAC16_SCLK: U41.13 U97.13
DAC16_SDIN: U41.12 U97.14
DAC16_SDO: U41.11 U97.10
DAC16_SYNC_N: U41.14 U97.12
DAC16_VOUT: U41.2 U74.3
DAC17_INV: C63.1 U44.1 U75.2
DAC17_LDAC_N: U44.8 U98.15
DAC17_RFB: C63.2 R32.1 U44.20 U75.6
DAC17_SCLK: U44.13 U98.13
DAC17_SDIN: U44.12 U98.14
DAC17_SDO: U44.11 U98.10
DAC17_SYNC_N: U44.14 U98.12
DAC17_VOUT: U44.2 U75.3
DAC18_INV: C64.1 U45.1 U76.2
DAC18_LDAC_N: U45.8 U99.15
DAC18_RFB: C64.2 R33.1 U45.20 U76.6
DAC18_SCLK: U45.13 U99.13
DAC18_SDIN: U45.12 U99.14
DAC18_SDO: U45.11 U99.10
DAC18_SYNC_N: U45.14 U99.12
DAC18_VOUT: U45.2 U76.3
DAC19_INV: C65.1 U50.1 U77.2
DAC19_LDAC_N: U50.8 U100.15
DAC19_RFB: C65.2 R34.1 U50.20 U77.6
DAC19_SCLK: U50.13 U100.13
DAC19_SDIN: U50.12 U100.14
DAC19_SDO: U50.11 U100.10
DAC19_SYNC_N: U50.14 U100.12
DAC19_VOUT: U50.2 U77.3
DAC20_INV: C66.1 U51.1 U78.2
DAC20_LDAC_N: U51.8 U101.15
DAC20_RFB: C66.2 R35.1 U51.20 U78.6
DAC20_SCLK: U51.13 U101.13
DAC20_SDIN: U51.12 U101.14
DAC20_SDO: U51.11 U101.10
DAC20_SYNC_N: U51.14 U101.12
DAC20_VOUT: U51.2 U78.3
DAC21_INV: C67.1 U52.1 U79.2
DAC21_LDAC_N: U52.8 U102.15
DAC21_RFB: C67.2 R36.1 U52.20 U79.6
DAC21_SCLK: U52.13 U102.13
DAC21_SDIN: U52.12 U102.14
DAC21_SDO: U52.11 U102.10
DAC21_SYNC_N: U52.14 U102.12
DAC21_VOUT: U52.2 U79.3
DAC22_INV: C68.1 U53.1 U80.2
DAC22_LDAC_N: U53.8 U103.15
DAC22_RFB: C68.2 R37.1 U53.20 U80.6
DAC22_SCLK: U53.13 U103.13
DAC22_SDIN: U53.12 U103.14
DAC22_SDO: U53.11 U103.10
DAC22_SYNC_N: U53.14 U103.12
DAC22_VOUT: U53.2 U80.3
DAC23_INV: C69.1 U56.1 U81.2
DAC23_LDAC_N: U56.8 U104.15
DAC23_RFB: C69.2 R38.1 U56.20 U81.6
DAC23_SCLK: U56.13 U104.13
DAC23_SDIN: U56.12 U104.14
DAC23_SDO: U56.11 U104.10
DAC23_SYNC_N: U56.14 U104.12
DAC23_VOUT: U56.2 U81.3
DAC24_INV: C70.1 U57.1 U82.2
DAC24_LDAC_N: U57.8 U105.15
DAC24_RFB: C70.2 R39.1 U57.20 U82.6
DAC24_SCLK: U57.13 U105.13
DAC24_SDIN: U57.12 U105.14
DAC24_SDO: U57.11 U105.10
DAC24_SYNC_N: U57.14 U105.12
DAC24_VOUT: U57.2 U82.3
LDAC_N_CH1: J10.2 J18.2 U58.2
LDAC_N_CH2: J10.12 J18.6 U83.2
LDAC_N_CH3: J10.22 J18.10 U84.2
LDAC_N_CH4: J10.32 J17.14 U85.2
LDAC_N_CH5: J9.23 J20.5 U86.2
LDAC_N_CH6: J9.13 J20.9 U87.2
LDAC_N_CH7: J12.21 J20.14 U88.2
LDAC_N_CH8: J4.13 J12.6 U89.2
LDAC_N_CH9: J4.11 J5.12 U90.2
LDAC_N_CH10: J7.8 J15.9 U91.2
LDAC_N_CH11: J8.6 J15.4 U92.2
LDAC_N_CH12: J6.8 J11.24 U93.2
LDAC_N_CH13: J10.9 J17.5 U94.2
LDAC_N_CH14: J10.19 J17.9 U95.2
LDAC_N_CH15: J10.29 J17.13 U96.2
LDAC_N_CH16: J9.22 J19.5 U97.2
LDAC_N_CH17: J9.12 J19.9 U98.2
LDAC_N_CH18: J9.1 J19.13 U99.2
LDAC_N_CH19: J6.13 J12.7 U100.2
LDAC_N_CH20: J5.13 J6.11 U101.2
LDAC_N_CH21: J6.9 J11.32 U102.2
LDAC_N_CH22: J7.3 J14.7 U103.2
LDAC_N_CH23: J8.1 J14.2 U104.2
LDAC_N_CH24: J4.7 J16.13 U105.2
LOGIC_LEVEL: J24.2 R15.2 R40.1 U10.10 U13.10 U15.10 U17.10 U19.10 U21.10 U26.10 U27.10 U28.10 U29.10 U32.10 U33.10 U38.10 U39.10 U40.10 U41.10 U44.10 U45.10 U50.10 U51.10 U52.10 U53.10 U56.10 U57.10
MISO_CH1: J10.10 U58.7
MISO_CH2: J10.20 U83.7
MISO_CH3: J10.30 U84.7
MISO_CH4: J9.25 U85.7
MISO_CH5: J9.15 U86.7
MISO_CH6: J9.3 U87.7
MISO_CH7: J12.9 U88.7
MISO_CH8: J5.15 U89.7
MISO_CH9: J11.34 U90.7
MISO_CH10: J8.8 U91.7
MISO_CH11: J16.27 U92.7
MISO_CH12: J16.11 U93.7
MISO_CH13: J10.1 U94.7
MISO_CH14: J10.11 U95.7
MISO_CH15: J10.21 U96.7
MISO_CH16: J10.31 U97.7
MISO_CH17: J9.20 U98.7
MISO_CH18: J9.10 U99.7
MISO_CH19: J9.2 U100.7
MISO_CH20: J12.4 U101.7
MISO_CH21: J5.10 U102.7
MISO_CH22: J13.1 U103.7
MISO_CH23: J7.1 U104.7
MISO_CH24: J11.22 U105.7
MOSI_CH1: J10.4 J18.3 U58.3
MOSI_CH2: J10.14 J18.7 U83.3
MOSI_CH3: J10.24 J18.11 U84.3
MOSI_CH4: J9.31 J20.2 U85.3
MOSI_CH5: J9.21 J20.6 U86.3
MOSI_CH6: J9.11 J20.10 U87.3
MOSI_CH7: J12.18 J18.14 U88.3
MOSI_CH8: J12.3 J15.12 U89.3
MOSI_CH9: J5.9 J15.10 U90.3
MOSI_CH10: J7.6 J15.8 U91.3
MOSI_CH11: J8.4 J15.3 U92.3
MOSI_CH12: J6.7 J11.20 U93.3
MOSI_CH13: J10.7 J17.4 U94.3
MOSI_CH14: J10.17 J17.8 U95.3
MOSI_CH15: J10.27 J17.12 U96.3
MOSI_CH16: J9.24 J19.4 U97.3
MOSI_CH17: J9.14 J19.8 U98.3
MOSI_CH18: J9.4 J19.12 U99.3
MOSI_CH19: J12.10 J15.13 U100.3
MOSI_CH20: J5.16 J14.11 U101.3
MOSI_CH21: J4.8 J5.1 U102.3
MOSI_CH22: J7.5 J14.8 U103.3
MOSI_CH23: J8.3 J14.3 U104.3
MOSI_CH24: J6.2 J11.2 U105.3
